# Altium PCB A8_multiple.PcbDoc (part 3 of 10) (continued)
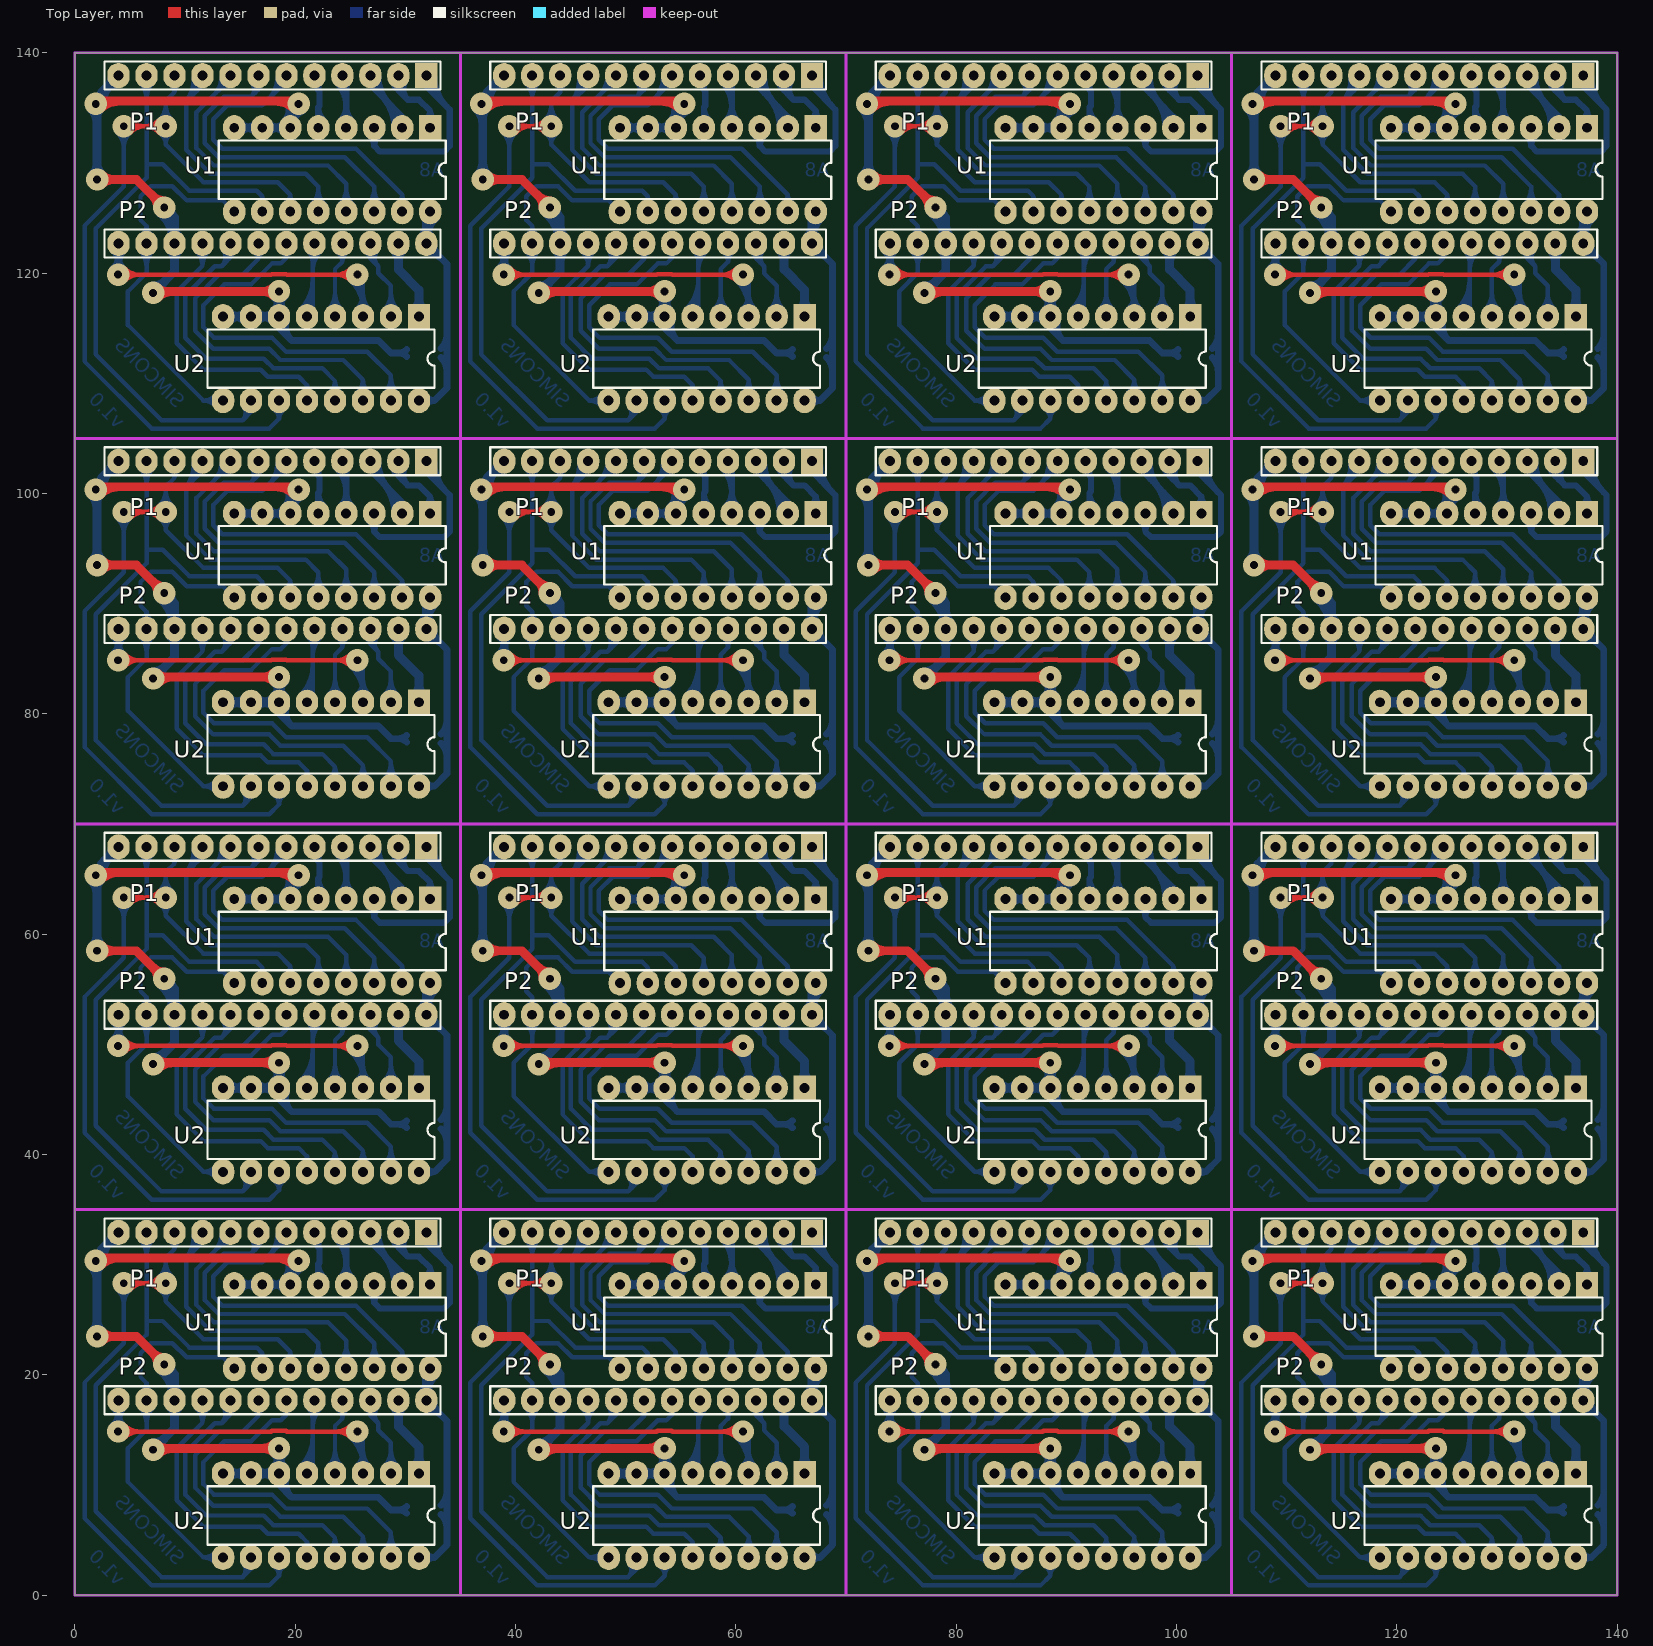
[diagram p0: Top Layer view]
## Nets (pads, with @x,y where several pads share a name; then routed paths per layer and width w, separated by ;. In a path a pad name is that pad's centre, name@x,y a point inside that pad or via, vN(x,y) a via of type N, cw(c..) or ccw(c..) an arc to the next point about the centre after c; other vN are vias at no path point) (continued)
93.622,110.207 ; 93.622,3.429 93.622,5.207 ; 93.622,11.049 93.622,15.367 94.295,16.04 ; 93.622,38.429 93.622,40.207 ; 93.622,46.049 93.622,50.367 94.295,51.04 ; 93.622,73.429 93.622,75.207 ; 93.622,81.049 93.622,85.367 94.295,86.04 ; 93.622,108.429 93.622,110.207 ; 93.622,116.049 93.622,120.367 94.295,121.04 ; 93.842,16.889 cw(c93.273,16.04) 94.295,16.04 ; 93.842,51.889 cw(c93.273,51.04) 94.295,51.04 ; 93.842,86.889 cw(c93.273,86.04) 94.295,86.04 ; 93.842,121.889 cw(c93.273,121.04) 94.295,121.04 ; 94.063,21.276 ccw(c92.676,22.663) 94.638,22.663 ccw(c96.6,22.663) 95.213,21.276 ; 94.063,56.276 ccw(c92.676,57.663) 94.638,57.663 ccw(c96.6,57.663) 95.213,56.276 ; 94.063,91.276 ccw(c92.676,92.663) 94.638,92.663 ccw(c96.6,92.663) 95.213,91.276 ; 94.063,126.276 ccw(c92.676,127.663) 94.638,127.663 ccw(c96.6,127.663) 95.213,126.276 ; 94.118,4.2 cw(c94.892,5.207) 93.622,5.207 ; 94.118,39.2 cw(c94.892,40.207) 93.622,40.207 ; 94.118,74.2 cw(c94.892,75.207) 93.622,75.207 ; 94.118,109.2 cw(c94.892,110.207) 93.622,110.207 ; 94.295,17.691 94.295,16.04 ; 94.295,52.691 94.295,51.04 ; 94.295,87.691 94.295,86.04 ; 94.295,122.691 94.295,121.04 ; 94.748,16.889 ccw(c95.317,16.04) 94.295,16.04 ; 94.748,51.889 ccw(c95.317,51.04) 94.295,51.04 ; 94.748,86.889 ccw(c95.317,86.04) 94.295,86.04 ; 94.748,121.889 ccw(c95.317,121.04) 94.295,121.04 ; v1@95.079,14.284 cw(c92.465,11.67) 96.162,11.67 ; v1@95.079,49.284 cw(c92.465,46.67) 96.162,46.67 ; v1@95.079,84.284 cw(c92.465,81.67) 96.162,81.67 ; v1@95.079,119.284 cw(c92.465,116.67) 96.162,116.67 ; v1@95.367,14.572 cw(c93.446,12.651) 96.162,12.651 ; v1@95.367,49.572 cw(c93.446,47.651) 96.162,47.651 ; v1@95.367,84.572 cw(c93.446,82.651) 96.162,82.651 ; v1@95.367,119.572 cw(c93.446,117.651) 96.162,117.651 ; 95.587,11.751 ccw(c94.2,13.138) 96.162,13.138 ccw(c98.124,13.138) 96.737,11.751 ; 95.587,46.751 ccw(c94.2,48.138) 96.162,48.138 ccw(c98.124,48.138) 96.737,46.751 ; 95.587,81.751 ccw(c94.2,83.138) 96.162,83.138 ccw(c98.124,83.138) 96.737,81.751 ; 95.587,116.751 ccw(c94.2,118.138) 96.162,118.138 ccw(c98.124,118.138) 96.737,116.751 ; 95.63,4.171 ccw(c94.624,5.334) 96.162,5.334 ; 95.63,39.171 ccw(c94.624,40.334) 96.162,40.334 ; 95.63,74.171 ccw(c94.624,75.334) 96.162,75.334 ; 95.63,109.171 ccw(c94.624,110.334) 96.162,110.334 ; 96.162,3.429 96.162,5.334 ; 96.162,11.049 96.162,14.351 v1(95.654,14.859) cw(c94.428,13.633) 96.162,13.633 ; 96.162,38.429 96.162,40.334 ; 96.162,46.049 96.162,49.351 v1(95.654,49.859) cw(c94.428,48.633) 96.162,48.633 ; 96.162,73.429 96.162,75.334 ; 96.162,81.049 96.162,84.351 v1(95.654,84.859) cw(c94.428,83.633) 96.162,83.633 ; 96.162,108.429 96.162,110.334 ; 96.162,116.049 96.162,119.351 v1(95.654,119.859) cw(c94.428,118.633) 96.162,118.633 ; 96.523,16.814 cw(c96.327,16.345) 96.835,16.345 ; 96.523,51.814 cw(c96.327,51.345) 96.835,51.345 ; 96.523,86.814 cw(c96.327,86.345) 96.835,86.345 ; 96.523,121.814 cw(c96.327,121.345) 96.835,121.345 ; 96.603,21.276 ccw(c95.216,22.663) 97.178,22.663 ccw(c99.14,22.663) 97.753,21.276 ; 96.603,56.276 ccw(c95.216,57.663) 97.178,57.663 ccw(c99.14,57.663) 97.753,56.276 ; 96.603,91.276 ccw(c95.216,92.663) 97.178,92.663 ccw(c99.14,92.663) 97.753,91.276 ; 96.603,126.276 ccw(c95.216,127.663) 97.178,127.663 ccw(c99.14,127.663) 97.753,126.276 ; 96.694,4.171 cw(c97.7,5.334) 96.162,5.334 ; 96.694,39.171 cw(c97.7,40.334) 96.162,40.334 ; 96.694,74.171 cw(c97.7,75.334) 96.162,75.334 ; 96.694,109.171 cw(c97.7,110.334) 96.162,110.334 ; 96.835,17.564 ccw(c97.603,16.959) 96.912,16.268 ; 96.835,17.691 96.835,16.345 ; 96.835,52.564 ccw(c97.603,51.959) 96.912,51.268 ; 96.835,52.691 96.835,51.345 ; 96.835,87.564 ccw(c97.603,86.959) 96.912,86.268 ; 96.835,87.691 96.835,86.345 ; 96.835,122.564 ccw(c97.603,121.959) 96.912,121.268 ; 96.835,122.691 96.835,121.345 ; 97.147,16.814 ccw(c97.343,16.345) 96.835,16.345 ; 97.147,51.814 ccw(c97.343,51.345) 96.835,51.345 ; 97.147,86.814 ccw(c97.343,86.345) 96.835,86.345 ; 97.147,121.814 ccw(c97.343,121.345) 96.835,121.345 ; 97.154,17.313 ccw(c97.965,16.674) 97.235,15.945 ; 97.154,52.313 ccw(c97.965,51.674) 97.235,50.945 ; 97.154,87.313 ccw(c97.965,86.674) 97.235,85.945 ; 97.154,122.313 ccw(c97.965,121.674) 97.235,120.945 ; 97.178,20.574 97.178,22.86 94.511,25.527 83.081,25.527 81.811,26.797 81.811,29.272 83.527,30.988 86.002,30.988 ; 97.178,55.574 97.178,57.86 94.511,60.527 83.081,60.527 81.811,61.797 81.811,64.272 83.527,65.988 86.002,65.988 ; 97.178,90.574 97.178,92.86 94.511,95.527 83.081,95.527 81.811,96.797 81.811,99.272 83.527,100.988 86.002,100.988 ; 97.178,125.574 97.178,127.86 94.511,130.527 83.081,130.527 81.811,131.797 81.811,134.272 83.527,135.988 86.002,135.988 ; 97.474,17.061 ccw(c98.327,16.389) 97.559,15.621 ; 97.474,52.061 ccw(c98.327,51.389) 97.559,50.621 ; 97.474,87.061 ccw(c98.327,86.389) 97.559,85.621 ; 97.474,122.061 ccw(c98.327,121.389) 97.559,120.621 ; 98.127,4.131 ccw(c96.74,5.518) 98.702,5.518 ccw(c100.664,5.518) 99.277,4.131 ; 98.127,11.751 ccw(c96.74,13.138) 98.702,13.138 ccw(c100.664,13.138) 99.277,11.751 ; 98.127,39.131 ccw(c96.74,40.518) 98.702,40.518 ccw(c100.664,40.518) 99.277,39.131 ; 98.127,46.751 ccw(c96.74,48.138) 98.702,48.138 ccw(c100.664,48.138) 99.277,46.751 ; 98.127,74.131 ccw(c96.74,75.518) 98.702,75.518 ccw(c100.664,75.518) 99.277,74.131 ; 98.127,81.751 ccw(c96.74,83.138) 98.702,83.138 ccw(c100.664,83.138) 99.277,81.751 ; 98.127,109.131 ccw(c96.74,110.518) 98.702,110.518 ccw(c100.664,110.518) 99.277,109.131 ; 98.127,116.751 ccw(c96.74,118.138) 98.702,118.138 ccw(c100.664,118.138) 99.277,116.751 ; 98.702,3.429 98.702,5.715 96.543,7.874 89.177,7.874 87.907,9.144 82.635,9.144 81.684,10.095 81.684,12.09 83.564,13.97 86.002,13.97 87.907,15.875 88.707,15.875 89.215,16.383 ; 98.702,11.049 98.702,13.843 97.559,14.986 97.559,15.621 ; 98.702,38.429 98.702,40.715 96.543,42.874 89.177,42.874 87.907,44.144 82.635,44.144 81.684,45.095 81.684,47.09 83.564,48.97 86.002,48.97 87.907,50.875 88.707,50.875 89.215,51.383 ; 98.702,46.049 98.702,48.843 97.559,49.986 97.559,50.621 ; 98.702,73.429 98.702,75.715 96.543,77.874 89.177,77.874 87.907,79.144 82.635,79.144 81.684,80.095 81.684,82.09 83.564,83.97 86.002,83.97 87.907,85.875 88.707,85.875 89.215,86.383 ; 98.702,81.049 98.702,83.843 97.559,84.986 97.559,85.621 ; 98.702,108.429 98.702,110.715 96.543,112.874 89.177,112.874 87.907,114.144 82.635,114.144 81.684,115.095 81.684,117.09 83.564,118.97 86.002,118.97 87.907,120.875 88.707,120.875 89.215,121.383 ; 98.702,116.049 98.702,118.843 97.559,119.986 97.559,120.621 ; 99.316,21.408 ccw(c98.924,22.098) 99.718,22.098 ; 99.316,56.408 ccw(c98.924,57.098) 99.718,57.098 ; 99.316,91.408 ccw(c98.924,92.098) 99.718,92.098 ; 99.316,126.408 ccw(c98.924,127.098) 99.718,127.098 ; 99.718,20.574 99.718,22.098 ; 99.718,55.574 99.718,57.098 ; 99.718,90.574 99.718,92.098 ; 99.718,125.574 99.718,127.098 ; 100.12,21.408 cw(c100.512,22.098) 99.718,22.098 ; 100.12,56.408 cw(c100.512,57.098) 99.718,57.098 ; 100.12,91.408 cw(c100.512,92.098) 99.718,92.098 ; 100.12,126.408 cw(c100.512,127.098) 99.718,127.098 ; v1@108.362,15.434 ccw(c106.883,16.913) 108.975,16.913 ; v1@108.362,50.434 ccw(c106.883,51.913) 108.975,51.913 ; v1@108.362,85.434 ccw(c106.883,86.913) 108.975,86.913 ; v1@108.362,120.434 ccw(c106.883,121.913) 108.975,121.913 ; 108.4,16.989 cw(c107.013,15.602) 108.975,15.602 cw(c110.937,15.602) 109.55,16.989 ; 108.4,51.989 cw(c107.013,50.602) 108.975,50.602 cw(c110.937,50.602) 109.55,51.989 ; 108.4,86.989 cw(c107.013,85.602) 108.975,85.602 cw(c110.937,85.602) 109.55,86.989 ; 108.4,121.989 cw(c107.013,120.602) 108.975,120.602 cw(c110.937,120.602) 109.55,121.989 ; v1@108.546,15.572 ccw(c108.281,16.057) 108.815,16.2 ccw(c109.768,16.455) v1@109.312,15.58 ; v1@108.546,50.572 ccw(c108.281,51.057) 108.815,51.2 ccw(c109.768,51.455) v1@109.312,50.58 ; v1@108.546,85.572 ccw(c108.281,86.057) 108.815,86.2 ccw(c109.768,86.455) v1@109.312,85.58 ; v1@108.546,120.572 ccw(c108.281,121.057) 108.815,121.2 ccw(c109.768,121.455) v1@109.312,120.58 ; v1@108.569,15.584 ccw(c108.04,16.625) 109.168,16.323 ccw(c109.934,16.117) v1@109.442,15.496 ; v1@108.569,50.584 ccw(c108.04,51.625) 109.168,51.323 ccw(c109.934,51.117) v1@109.442,50.496 ; v1@108.569,85.584 ccw(c108.04,86.625) 109.168,86.323 ccw(c109.934,86.117) v1@109.442,85.496 ; v1@108.569,120.584 ccw(c108.04,121.625) 109.168,121.323 ccw(c109.934,121.117) v1@109.442,120.496 ; v1@108.65,15.146 ccw(c107.864,15.932) 108.975,15.932 ; v1@108.65,50.146 ccw(c107.864,50.932) 108.975,50.932 ; v1@108.65,85.146 ccw(c107.864,85.932) 108.975,85.932 ; v1@108.65,120.146 ccw(c107.864,120.932) 108.975,120.932 ; v1@108.87,27.746 cw(c107.483,26.359) 109.445,26.359 cw(c111.407,26.359) v1@110.02,27.746 ; v1@108.87,62.746 cw(c107.483,61.359) 109.445,61.359 cw(c111.407,61.359) v1@110.02,62.746 ; v1@108.87,97.746 cw(c107.483,96.359) 109.445,96.359 cw(c111.407,96.359) v1@110.02,97.746 ; v1@108.87,132.746 cw(c107.483,131.359) 109.445,131.359 cw(c111.407,131.359) v1@110.02,132.746 ; 108.975,16.73 ccw(c110.808,16.73) v1@109.512,15.434 ; 108.975,17.691 108.975,15.113 108.937,15.113 v1@109.064,14.986 ; 108.975,51.73 ccw(c110.808,51.73) v1@109.512,50.434 ; 108.975,52.691 108.975,50.113 108.937,50.113 v1@109.064,49.986 ; 108.975,86.73 ccw(c110.808,86.73) v1@109.512,85.434 ; 108.975,87.691 108.975,85.113 108.937,85.113 v1@109.064,84.986 ; 108.975,121.73 ccw(c110.808,121.73) v1@109.512,120.434 ; 108.975,122.691 108.975,120.113 108.937,120.113 v1@109.064,119.986 ; v1(109.445,28.321) 109.445,22.86 105.889,19.304 105.889,6.985 111.985,0.889 122.653,0.889 123.542,1.778 ; v1(109.445,63.321) 109.445,57.86 105.889,54.304 105.889,41.985 111.985,35.889 122.653,35.889 123.542,36.778 ; v1(109.445,98.321) 109.445,92.86 105.889,89.304 105.889,76.985 111.985,70.889 122.653,70.889 123.542,71.778 ; v1(109.445,133.321) 109.445,127.86 105.889,124.304 105.889,111.985 111.985,105.889 122.653,105.889 123.542,106.778 ; 110.94,16.989 cw(c109.553,15.602) 111.515,15.602 cw(c113.477,15.602) 112.09,16.989 ; 110.94,32.229 cw(c109.553,30.842) 111.515,30.842 cw(c113.477,30.842) 112.09,32.229 ; 110.94,51.989 cw(c109.553,50.602) 111.515,50.602 cw(c113.477,50.602) 112.09,51.989 ; 110.94,67.229 cw(c109.553,65.842) 111.515,65.842 cw(c113.477,65.842) 112.09,67.229 ; 110.94,86.989 cw(c109.553,85.602) 111.515,85.602 cw(c113.477,85.602) 112.09,86.989 ; 110.94,102.229 cw(c109.553,100.842) 111.515,100.842 cw(c113.477,100.842) 112.09,102.229 ; 110.94,121.989 cw(c109.553,120.602) 111.515,120.602 cw(c113.477,120.602) 112.09,121.989 ; 110.94,137.229 cw(c109.553,135.842) 111.515,135.842 cw(c113.477,135.842) 112.09,137.229 ; 111.092,18.512 ccw(c110.632,19.266) 111.515,19.266 ; 111.092,53.512 ccw(c110.632,54.266) 111.515,54.266 ; 111.092,88.512 ccw(c110.632,89.266) 111.515,89.266 ; 111.092,123.512 ccw(c110.632,124.266) 111.515,124.266 ; 111.515,32.931 111.515,24.892 ; 111.515,67.931 111.515,59.892 ; 111.515,102.931 111.515,94.892 ; 111.515,137.931 111.515,129.892 ; 111.938,18.512 cw(c112.398,19.266) 111.515,19.266 ; 111.938,53.512 cw(c112.398,54.266) 111.515,54.266 ; 111.938,88.512 cw(c112.398,89.266) 111.515,89.266 ; 111.938,123.512 cw(c112.398,124.266) 111.515,124.266 ; v1@112.68,28.896 ccw(c111.293,30.283) 113.255,30.283 ccw(c115.217,30.283) v1@113.83,28.896 ; v1@112.68,63.896 ccw(c111.293,65.283) 113.255,65.283 ccw(c115.217,65.283) v1@113.83,63.896 ; v1@112.68,98.896 ccw(c111.293,100.283) 113.255,100.283 ccw(c115.217,100.283) v1@113.83,98.896 ; v1@112.68,133.896 ccw(c111.293,135.283) 113.255,135.283 ccw(c115.217,135.283) v1@113.83,133.896 ; v1@112.759,27.677 cw(c111.985,26.67) 113.255,26.67 ; v1@112.759,62.677 cw(c111.985,61.67) 113.255,61.67 ; v1@112.759,97.677 cw(c111.985,96.67) 113.255,96.67 ; v1@112.759,132.677 cw(c111.985,131.67) 113.255,131.67 ; 113.653,32.097 cw(c113.261,31.407) 114.055,31.407 ; 113.653,67.097 cw(c113.261,66.407) 114.055,66.407 ; 113.653,102.097 cw(c113.261,101.407) 114.055,101.407 ; 113.653,137.097 cw(c113.261,136.407) 114.055,136.407 ; v1@113.751,27.677 ccw(c114.525,26.67) 113.255,26.67 ; v1@113.751,62.677 ccw(c114.525,61.67) 113.255,61.67 ; v1@113.751,97.677 ccw(c114.525,96.67) 113.255,96.67 ; v1@113.751,132.677 ccw(c114.525,131.67) 113.255,131.67 ; 114.055,32.931 114.055,31.407 ; 114.055,67.931 114.055,66.407 ; 114.055,102.931 114.055,101.407 ; 114.055,137.931 114.055,136.407 ; 114.457,32.097 ccw(c114.849,31.407) 114.055,31.407 ; 114.457,67.097 ccw(c114.849,66.407) 114.055,66.407 ; 114.457,102.097 ccw(c114.849,101.407) 114.055,101.407 ; 114.457,137.097 ccw(c114.849,136.407) 114.055,136.407 ; 115.178,30.692 ccw(c112.476,32.606) 115.783,32.765 ; 115.178,65.692 ccw(c112.476,67.606) 115.783,67.765 ; 115.178,100.692 ccw(c112.476,102.606) 115.783,102.765 ; 115.178,135.692 ccw(c112.476,137.606) 115.783,137.765 ; 115.466,30.913 ccw(c113.714,32.665) 116.189,32.784 ; 115.466,65.913 ccw(c113.714,67.665) 116.189,67.784 ; 115.466,100.913 ccw(c113.714,102.665) 116.189,102.784 ; 115.466,135.913 ccw(c113.714,137.665) 116.189,137.784 ; 116.033,16.977 cw(c114.769,15.659) 116.595,15.659 ; 116.033,51.977 cw(c114.769,50.659) 116.595,50.659 ; 116.033,86.977 cw(c114.769,85.659) 116.595,85.659 ; 116.033,121.977 cw(c114.769,120.659) 116.595,120.659 ; 116.115,31.562 ccw(c114.953,32.725) 116.595,32.804 ; 116.115,66.562 ccw(c114.953,67.725) 116.595,67.804 ; 116.115,101.562 ccw(c114.953,102.725) 116.595,102.804 ; 116.115,136.562 ccw(c114.953,137.725) 116.595,137.804 ; 116.595,17.691 116.595,15.659 ; 116.595,32.931 116.595,32.042 115.135,30.582 115.135,26.187 117.319,24.003 125.955,24.003 127.098,22.86 127.098,20.574 ; 116.595,52.691 116.595,50.659 ; 116.595,67.931 116.595,67.042 115.135,65.582 115.135,61.187 117.319,59.003 125.955,59.003 127.098,57.86 127.098,55.574 ; 116.595,87.691 116.595,85.659 ; 116.595,102.931 116.595,102.042 115.135,100.582 115.135,96.187 117.319,94.003 125.955,94.003 127.098,92.86 127.098,90.574 ; 116.595,122.691 116.595,120.659 ; 116.595,137.931 116.595,137.042 115.135,135.582 115.135,131.187 117.319,129.003 125.955,129.003 127.098,127.86 127.098,125.574 ; 117.157,16.977 ccw(c118.421,15.659) 116.595,15.659 ; 117.157,51.977 ccw(c118.421,50.659) 116.595,50.659 ; 117.157,86.977 ccw(c118.421,85.659) 116.595,85.659 ; 117.157,121.977 ccw(c118.421,120.659) 116.595,120.659 ; 117.658,31.2 ccw(c116.053,32.804) 118.322,32.804 ; 117.658,66.2 ccw(c116.053,67.804) 118.322,67.804 ; 117.658,101.2 ccw(c116.053,102.804) 118.322,102.804 ; 117.658,136.2 ccw(c116.053,137.804) 118.322,137.804 ; 117.847,2.897 ccw(c116.684,1.891) 116.684,3.429 ; 117.847,3.961 cw(c116.684,4.967) 116.684,3.429 ; 117.847,37.897 ccw(c116.684,36.891) 116.684,38.429 ; 117.847,38.961 cw(c116.684,39.967) 116.684,38.429 ; 117.847,72.897 ccw(c116.684,71.891) 116.684,73.429 ; 117.847,73.961 cw(c116.684,74.967) 116.684,73.429 ; 117.847,107.897 ccw(c116.684,106.891) 116.684,108.429 ; 117.847,108.961 cw(c116.684,109.967) 116.684,108.429 ; 117.964,31.506 cw(c119.135,30.336) 119.135,31.991 ; 117.964,66.506 cw(c119.135,65.336) 119.135,66.991 ; 117.964,101.506 cw(c119.135,100.336) 119.135,101.991 ; 117.964,136.506 cw(c119.135,135.336) 119.135,136.991 ; 118.351,31.893 ccw(c117.441,32.804) 118.729,32.804 ; 118.351,66.893 ccw(c117.441,67.804) 118.729,67.804 ; 118.351,101.893 ccw(c117.441,102.804) 118.729,102.804 ; 118.351,136.893 ccw(c117.441,137.804) 118.729,137.804 ; 118.462,3.429 116.684,3.429 ; 118.462,38.429 116.684,38.429 ; 118.462,73.429 116.684,73.429 ; 118.462,108.429 116.684,108.429 ; 118.467,17.1 cw(c117.516,16.44) 118.335,15.621 ; 118.467,52.1 cw(c117.516,51.44) 118.335,50.621 ; 118.467,87.1 cw(c117.516,86.44) 118.335,85.621 ; 118.467,122.1 cw(c117.516,121.44) 118.335,120.621 ; 118.679,15.965 ccw(c117.922,16.722) 118.801,17.332 ; 118.679,50.965 ccw(c117.922,51.722) 118.801,52.332 ; 118.679,85.965 ccw(c117.922,86.722) 118.801,87.332 ; 118.679,120.965 ccw(c117.922,121.722) 118.801,122.332 ; 118.868,16.796 cw(c118.738,16.421) 119.135,16.421 ; 118.868,51.796 cw(c118.738,51.421) 119.135,51.421 ; 118.868,86.796 cw(c118.738,86.421) 119.135,86.421 ; 118.868,121.796 cw(c118.738,121.421) 119.135,121.421 ; 119.023,16.309 ccw(c118.328,17.004) 119.135,17.564 ; 119.023,51.309 ccw(c118.328,52.004) 119.135,52.564 ; 119.023,86.309 ccw(c118.328,87.004) 119.135,87.564 ; 119.023,121.309 ccw(c118.328,122.004) 119.135,122.564 ; 119.135,17.691 119.135,16.421 ; 119.135,32.931 119.135,32.677 116.049,29.591 116.049,26.351 117.635,24.765 127.987,24.765 129.638,23.114 129.638,20.574 ; 119.135,52.691 119.135,51.421 ; 119.135,67.931 119.135,67.677 116.049,64.591 116.049,61.351 117.635,59.765 127.987,59.765 129.638,58.114 129.638,55.574 ; 119.135,87.691 119.135,86.421 ; 119.135,102.931 119.135,102.677 116.049,99.591 116.049,96.351 117.635,94.765 127.987,94.765 129.638,93.114 129.638,90.574 ; 119.135,122.691 119.135,121.421 ; 119.135,137.931 119.135,137.677 116.049,134.591 116.049,131.351 117.635,129.765 127.987,129.765 129.638,128.114 129.638,125.574 ; 119.402,16.796 ccw(c119.532,16.421) 119.135,16.421 ; 119.402,51.796 ccw(c119.532,51.421) 119.135,51.421 ; 119.402,86.796 ccw(c119.532,86.421) 119.135,86.421 ; 119.402,121.796 ccw(c119.532,121.421) 119.135,121.421 ; 119.478,20.574 118.462,21.59 115.16,21.59 113.865,22.885 111.883,22.885 110.969,21.971 110.969,19.812 111.515,19.266 ; 119.478,55.574 118.462,56.59 115.16,56.59 113.865,57.885 111.883,57.885 110.969,56.971 110.969,54.812 111.515,54.266 ; 119.478,90.574 118.462,91.59 115.16,91.59 113.865,92.885 111.883,92.885 110.969,91.971 110.969,89.812 111.515,89.266 ; 119.478,125.574 118.462,126.59 115.16,126.59 113.865,127.885 111.883,127.885 110.969,126.971 110.969,124.812 111.515,124.266 ; 120.339,2.831 cw(c119.591,2.3) 120.24,1.651 ; 120.339,37.831 cw(c119.591,37.3) 120.24,36.651 ; 120.339,72.831 cw(c119.591,72.3) 120.24,71.651 ; 120.339,107.831 cw(c119.591,107.3) 120.24,106.651 ; 120.58,1.991 ccw(c119.989,2.582) 120.671,3.067 ; 120.58,36.991 ccw(c119.989,37.582) 120.671,38.067 ; 120.58,71.991 ccw(c119.989,72.582) 120.671,73.067 ; 120.58,106.991 ccw(c119.989,107.582) 120.671,108.067 ; 121.002,3.429 121.002,2.413 120.24,1.651 ; 121.002,38.429 121.002,37.413 120.24,36.651 ; 121.002,73.429 121.002,72.413 120.24,71.651 ; 121.002,108.429 121.002,107.413 120.24,106.651 ; 121.055,32.278 cw(c120.328,31.662) 121.002,30.988 ; 121.055,67.278 cw(c120.328,66.662) 121.002,65.988 ; 121.055,102.278 cw(c120.328,101.662) 121.002,100.988 ; 121.055,137.278 cw(c120.328,136.662) 121.002,135.988 ; 121.314,31.3 ccw(c120.666,31.948) 121.365,32.541 ; 121.314,66.3 ccw(c120.666,66.948) 121.365,67.541 ; 121.314,101.3 ccw(c120.666,101.948) 121.365,102.541 ; 121.314,136.3 ccw(c120.666,136.948) 121.365,137.541 ; 121.335,16.826 cw(c121.089,16.294) 121.675,16.294 ; 121.335,51.826 cw(c121.089,51.294) 121.675,51.294 ; 121.335,86.826 cw(c121.089,86.294) 121.675,86.294 ; 121.335,121.826 cw(c121.089,121.294) 121.675,121.294 ; 121.408,32.036 cw(c121.278,31.661) 121.675,31.661 ; 121.408,67.036 cw(c121.278,66.661) 121.675,66.661 ; 121.408,102.036 cw(c121.278,101.661) 121.675,101.661 ; 121.408,137.036 cw(c121.278,136.661) 121.675,136.661 ; 121.626,31.612 ccw(c121.003,32.235) 121.675,32.804 ; 121.626,66.612 ccw(c121.003,67.235) 121.675,67.804 ; 121.626,101.612 ccw(c121.003,102.235) 121.675,102.804 ; 121.626,136.612 ccw(c121.003,137.235) 121.675,137.804 ; 121.675,17.691 121.675,16.294 ; 121.675,32.931 121.675,31.661 ; 121.675,52.691 121.675,51.294 ; 121.675,67.931 121.675,66.661 ; 121.675,87.691 121.675,86.294 ; 121.675,102.931 121.675,101.661 ; 121.675,122.691 121.675,121.294 ; 121.675,137.931 121.675,136.661 ; 121.678,21.439 ccw(c121.432,21.971) 122.018,21.971 ; 121.678,56.439 ccw(c121.432,56.971) 122.018,56.971 ; 121.678,91.439 ccw(c121.432,91.971) 122.018,91.971 ; 121.678,126.439 ccw(c121.432,126.971) 122.018,126.971 ; 121.942,32.036 ccw(c122.072,31.661) 121.675,31.661 ; 121.942,67.036 ccw(c122.072,66.661) 121.675,66.661 ; 121.942,102.036 ccw(c122.072,101.661) 121.675,101.661 ; 121.942,137.036 ccw(c122.072,136.661) 121.675,136.661 ; 122.015,16.826 ccw(c122.261,16.294) 121.675,16.294 ; 122.015,51.826 ccw(c122.261,51.294) 121.675,51.294 ; 122.015,86.826 ccw(c122.261,86.294) 121.675,86.294 ; 122.015,121.826 ccw(c122.261,121.294) 121.675,121.294 ; 122.018,20.574 122.018,21.971 ; 122.018,55.574 122.018,56.971 ; 122.018,90.574 122.018,91.971 ; 122.018,125.574 122.018,126.971 ; 122.358,21.439 cw(c122.604,21.971) 122.018,21.971 ; 122.358,56.439 cw(c122.604,56.971) 122.018,56.971 ; 122.358,91.439 cw(c122.604,91.971) 122.018,91.971 ; 122.358,126.439 cw(c122.604,126.971) 122.018,126.971 ; 122.558,30.766 ccw(c120.52,32.804) 123.402,32.804 ; 122.558,65.766 ccw(c120.52,67.804) 123.402,67.804 ; 122.558,100.766 ccw(c120.52,102.804) 123.402,102.804 ; 122.558,135.766 ccw(c120.52,137.804) 123.402,137.804 ; 123.089,2.627 cw(c122.52,1.778) 123.542,1.778 ; 123.089,37.627 cw(c122.52,36.778) 123.542,36.778 ; 123.089,72.627 cw(c122.52,71.778) 123.542,71.778 ; 123.089,107.627 cw(c122.52,106.778) 123.542,106.778 ; 123.252,31.46 ccw(c121.908,32.804) 123.809,32.804 ; 123.252,66.46 ccw(c121.908,67.804) 123.809,67.804 ; 123.252,101.46 ccw(c121.908,102.804) 123.809,102.804 ; 123.252,136.46 ccw(c121.908,137.804) 123.809,137.804 ; 123.478,31.686 cw(c124.215,30.949) 124.215,31.991 ; 123.478,66.686 cw(c124.215,65.949) 124.215,66.991 ; 123.478,101.686 cw(c124.215,100.949) 124.215,101.991 ; 123.478,136.686 cw(c124.215,135.949) 124.215,136.991 ; 123.542,3.429 123.542,1.778 ; 123.542,38.429 123.542,36.778 ; 123.542,73.429 123.542,71.778 ; 123.542,108.429 123.542,106.778 ; 123.925,16.805 cw(c123.763,16.383) 124.215,16.383 ; 123.925,51.805 cw(c123.763,51.383) 124.215,51.383 ; 123.925,86.805 cw(c123.763,86.383) 124.215,86.383 ; 123.925,121.805 cw(c123.763,121.383) 124.215,121.383 ; 123.995,2.627 ccw(c124.564,1.778) 123.542,1.778 ; 123.995,37.627 ccw(c124.564,36.778) 123.542,36.778 ; 123.995,72.627 ccw(c124.564,71.778) 123.542,71.778 ; 123.995,107.627 ccw(c124.564,106.778) 123.542,106.778 ; 124.156,21.408 ccw(c123.764,22.098) 124.558,22.098 ; 124.156,56.408 ccw(c123.764,57.098) 124.558,57.098 ; 124.156,91.408 ccw(c123.764,92.098) 124.558,92.098 ; 124.156,126.408 ccw(c123.764,127.098) 124.558,127.098 ; 124.215,17.691 124.215,16.383 ; 124.215,32.931 124.215,32.423 122.018,30.226 118.843,30.226 117.573,28.956 117.573,27.113 118.397,26.289 130.527,26.289 134.718,22.098 ; 124.215,52.691 124.215,51.383 ; 124.215,67.931 124.215,67.423 122.018,65.226 118.843,65.226 117.573,63.956 117.573,62.113 118.397,61.289 130.527,61.289 134.718,57.098 ; 124.215,87.691 124.215,86.383 ; 124.215,102.931 124.215,102.423 122.018,100.226 118.843,100.226 117.573,98.956 117.573,97.113 118.397,96.289 130.527,96.289 134.718,92.098 ; 124.215,122.691 124.215,121.383 ; 124.215,137.931 124.215,137.423 122.018,135.226 118.843,135.226 117.573,133.956 117.573,132.113 118.397,131.289 130.527,131.289 134.718,127.098 ; 124.505,16.805 ccw(c124.667,16.383) 124.215,16.383 ; 124.505,51.805 ccw(c124.667,51.383) 124.215,51.383 ; 124.505,86.805 ccw(c124.667,86.383) 124.215,86.383 ; 124.505,121.805 ccw(c124.667,121.383) 124.215,121.383 ; 124.558,20.574 124.558,22.098 ; 124.558,55.574 124.558,57.098 ; 124.558,90.574 124.558,92.098 ; 124.558,125.574 124.558,127.098 ; 124.96,21.408 cw(c125.352,22.098) 124.558,22.098 ; 124.96,56.408 cw(c125.352,57.098) 124.558,57.098 ; 124.96,91.408 cw(c125.352,92.098) 124.558,92.098 ; 124.96,126.408 cw(c125.352,127.098) 124.558,127.098 ; 125.507,11.751 ccw(c122.893,14.365) 126.59,14.365 ; 125.507,46.751 ccw(c122.893,49.365) 126.59,49.365 ; 125.507,81.751 ccw(c122.893,84.365) 126.59,84.365 ; 125.507,116.751 ccw(c122.893,119.365) 126.59,119.365 ; 125.742,4.294 ccw(c125.496,4.826) 126.082,4.826 ; 125.742,39.294 ccw(c125.496,39.826) 126.082,39.826 ; 125.742,74.294 ccw(c125.496,74.826) 126.082,74.826 ; 125.742,109.294 ccw(c125.496,109.826) 126.082,109.826 ; 125.795,11.463 ccw(c123.874,13.384) 126.59,13.384 ; 125.795,46.463 ccw(c123.874,48.384) 126.59,48.384 ; 125.795,81.463 ccw(c123.874,83.384) 126.59,83.384 ; 125.795,116.463 ccw(c123.874,118.384) 126.59,118.384 ; 126.082,3.429 126.082,4.826 ; 126.082,11.049 126.59,11.557 126.59,17.526 126.755,17.691 ; 126.082,11.176 ccw(c124.856,12.402) 126.59,12.402 ; 126.082,38.429 126.082,39.826 ; 126.082,46.049 126.59,46.557 126.59,52.526 126.755,52.691 ; 126.082,46.176 ccw(c124.856,47.402) 126.59,47.402 ; 126.082,73.429 126.082,74.826 ; 126.082,81.049 126.59,81.557 126.59,87.526 126.755,87.691 ; 126.082,81.176 ccw(c124.856,82.402) 126.59,82.402 ; 126.082,108.429 126.082,109.826 ; 126.082,116.049 126.59,116.557 126.59,122.526 126.755,122.691 ; 126.082,116.176 ccw(c124.856,117.402) 126.59,117.402 ; 126.18,16.989 cw(c125.191,16) 126.59,16 ; 126.18,51.989 cw(c125.191,51) 126.59,51 ; 126.18,86.989 cw(c125.191,86) 126.59,86 ; 126.18,121.989 cw(c125.191,121) 126.59,121 ; 126.422,4.294 cw(c126.668,4.826) 126.082,4.826 ; 126.422,39.294 cw(c126.668,39.826) 126.082,39.826 ; 126.422,74.294 cw(c126.668,74.826) 126.082,74.826 ; 126.422,109.294 cw(c126.668,109.826) 126.082,109.826 ; 126.523,21.276 ccw(c125.136,22.663) 127.098,22.663 ccw(c129.06,22.663) 127.673,21.276 ; 126.523,56.276 ccw(c125.136,57.663) 127.098,57.663 ccw(c129.06,57.663) 127.673,56.276 ; 126.523,91.276 ccw(c125.136,92.663) 127.098,92.663 ccw(c129.06,92.663) 127.673,91.276 ; 126.523,126.276 ccw(c125.136,127.663) 127.098,127.663 ccw(c129.06,127.663) 127.673,126.276 ; 126.59,15.203 cw(c129.116,15.203) 127.33,16.989 ; 126.59,16.185 cw(c128.134,16.185) 127.042,17.277 ; 126.59,50.203 cw(c129.116,50.203) 127.33,51.989 ; 126.59,51.185 cw(c128.134,51.185) 127.042,52.277 ; 126.59,85.203 cw(c129.116,85.203) 127.33,86.989 ; 126.59,86.185 cw(c128.134,86.185) 127.042,87.277 ; 126.59,120.203 cw(c129.116,120.203) 127.33,121.989 ; 126.59,121.185 cw(c128.135,121.185) 127.042,122.277 ; 128.047,11.751 ccw(c126.66,13.138) 128.622,13.138 ccw(c130.584,13.138) 129.197,11.751 ; 128.047,46.751 ccw(c126.66,48.138) 128.622,48.138 ccw(c130.584,48.138) 129.197,46.751 ; 128.047,81.751 ccw(c126.66,83.138) 128.622,83.138 ccw(c130.584,83.138) 129.197,81.751 ; 128.047,116.751 ccw(c126.66,118.138) 128.622,118.138 ccw(c130.584,118.138) 129.197,116.751 ; 128.126,4.2 ccw(c127.352,5.207) 128.622,5.207 ; 128.126,39.2 ccw(c127.352,40.207) 128.622,40.207 ; 128.126,74.2 ccw(c127.352,75.207) 128.622,75.207 ; 128.126,109.2 ccw(c127.352,110.207) 128.622,110.207 ; 128.622,3.429 128.622,5.207 ; 128.622,11.049 128.622,15.367 129.295,16.04 ; 128.622,38.429 128.622,40.207 ; 128.622,46.049 128.622,50.367 129.295,51.04 ; 128.622,73.429 128.622,75.207 ; 128.622,81.049 128.622,85.367 129.295,86.04 ; 128.622,108.429 128.622,110.207 ; 128.622,116.049 128.622,120.367 129.295,121.04 ; 128.842,16.889 cw(c128.273,16.04) 129.295,16.04 ; 128.842,51.889 cw(c128.273,51.04) 129.295,51.04 ; 128.842,86.889 cw(c128.273,86.04) 129.295,86.04 ; 128.842,121.889 cw(c128.273,121.04) 129.295,121.04 ; 129.063,21.276 ccw(c127.676,22.663) 129.638,22.663 ccw(c131.6,22.663) 130.213,21.276 ; 129.063,56.276 ccw(c127.676,57.663) 129.638,57.663 ccw(c131.6,57.663) 130.213,56.276 ; 129.063,91.276 ccw(c127.676,92.663) 129.638,92.663 ccw(c131.6,92.663) 130.213,91.276 ; 129.063,126.276 ccw(c127.676,127.663) 129.638,127.663 ccw(c131.6,127.663) 130.213,126.276 ; 129.118,4.2 cw(c129.892,5.207) 128.622,5.207 ; 129.118,39.2 cw(c129.892,40.207) 128.622,40.207 ; 129.118,74.2 cw(c129.892,75.207) 128.622,75.207 ; 129.118,109.2 cw(c129.892,110.207) 128.622,110.207 ; 129.295,17.691 129.295,16.04 ; 129.295,52.691 129.295,51.04 ; 129.295,87.691 129.295,86.04 ; 129.295,122.691 129.295,121.04 ; 129.748,16.889 ccw(c130.317,16.04) 129.295,16.04 ; 129.748,51.889 ccw(c130.317,51.04) 129.295,51.04 ; 129.748,86.889 ccw(c130.317,86.04) 129.295,86.04 ; 129.748,121.889 ccw(c130.317,121.04) 129.295,121.04 ; v1@130.079,14.284 cw(c127.465,11.67) 131.162,11.67 ; v1@130.079,49.284 cw(c127.465,46.67) 131.162,46.67 ; v1@130.079,84.284 cw(c127.465,81.67) 131.162,81.67 ; v1@130.079,119.284 cw(c127.465,116.67) 131.162,116.67 ; v1@130.367,14.572 cw(c128.446,12.651) 131.162,12.651 ; v1@130.367,49.572 cw(c128.446,47.651) 131.162,47.651